# Altium PCB dvrk-s-pwm.PcbDoc (part 4 of 5)
Units mm, origin at the board's own origin, x right, y up, seen from the top; angles counter-clockwise.
Board outline 124 x 180 mm, 4 copper layers (Component Side, Ground Plane, Power Plane, Solder Side), stack 1.584 mm thick; 325 components, 238 nets, 1291 pads, 758 vias.
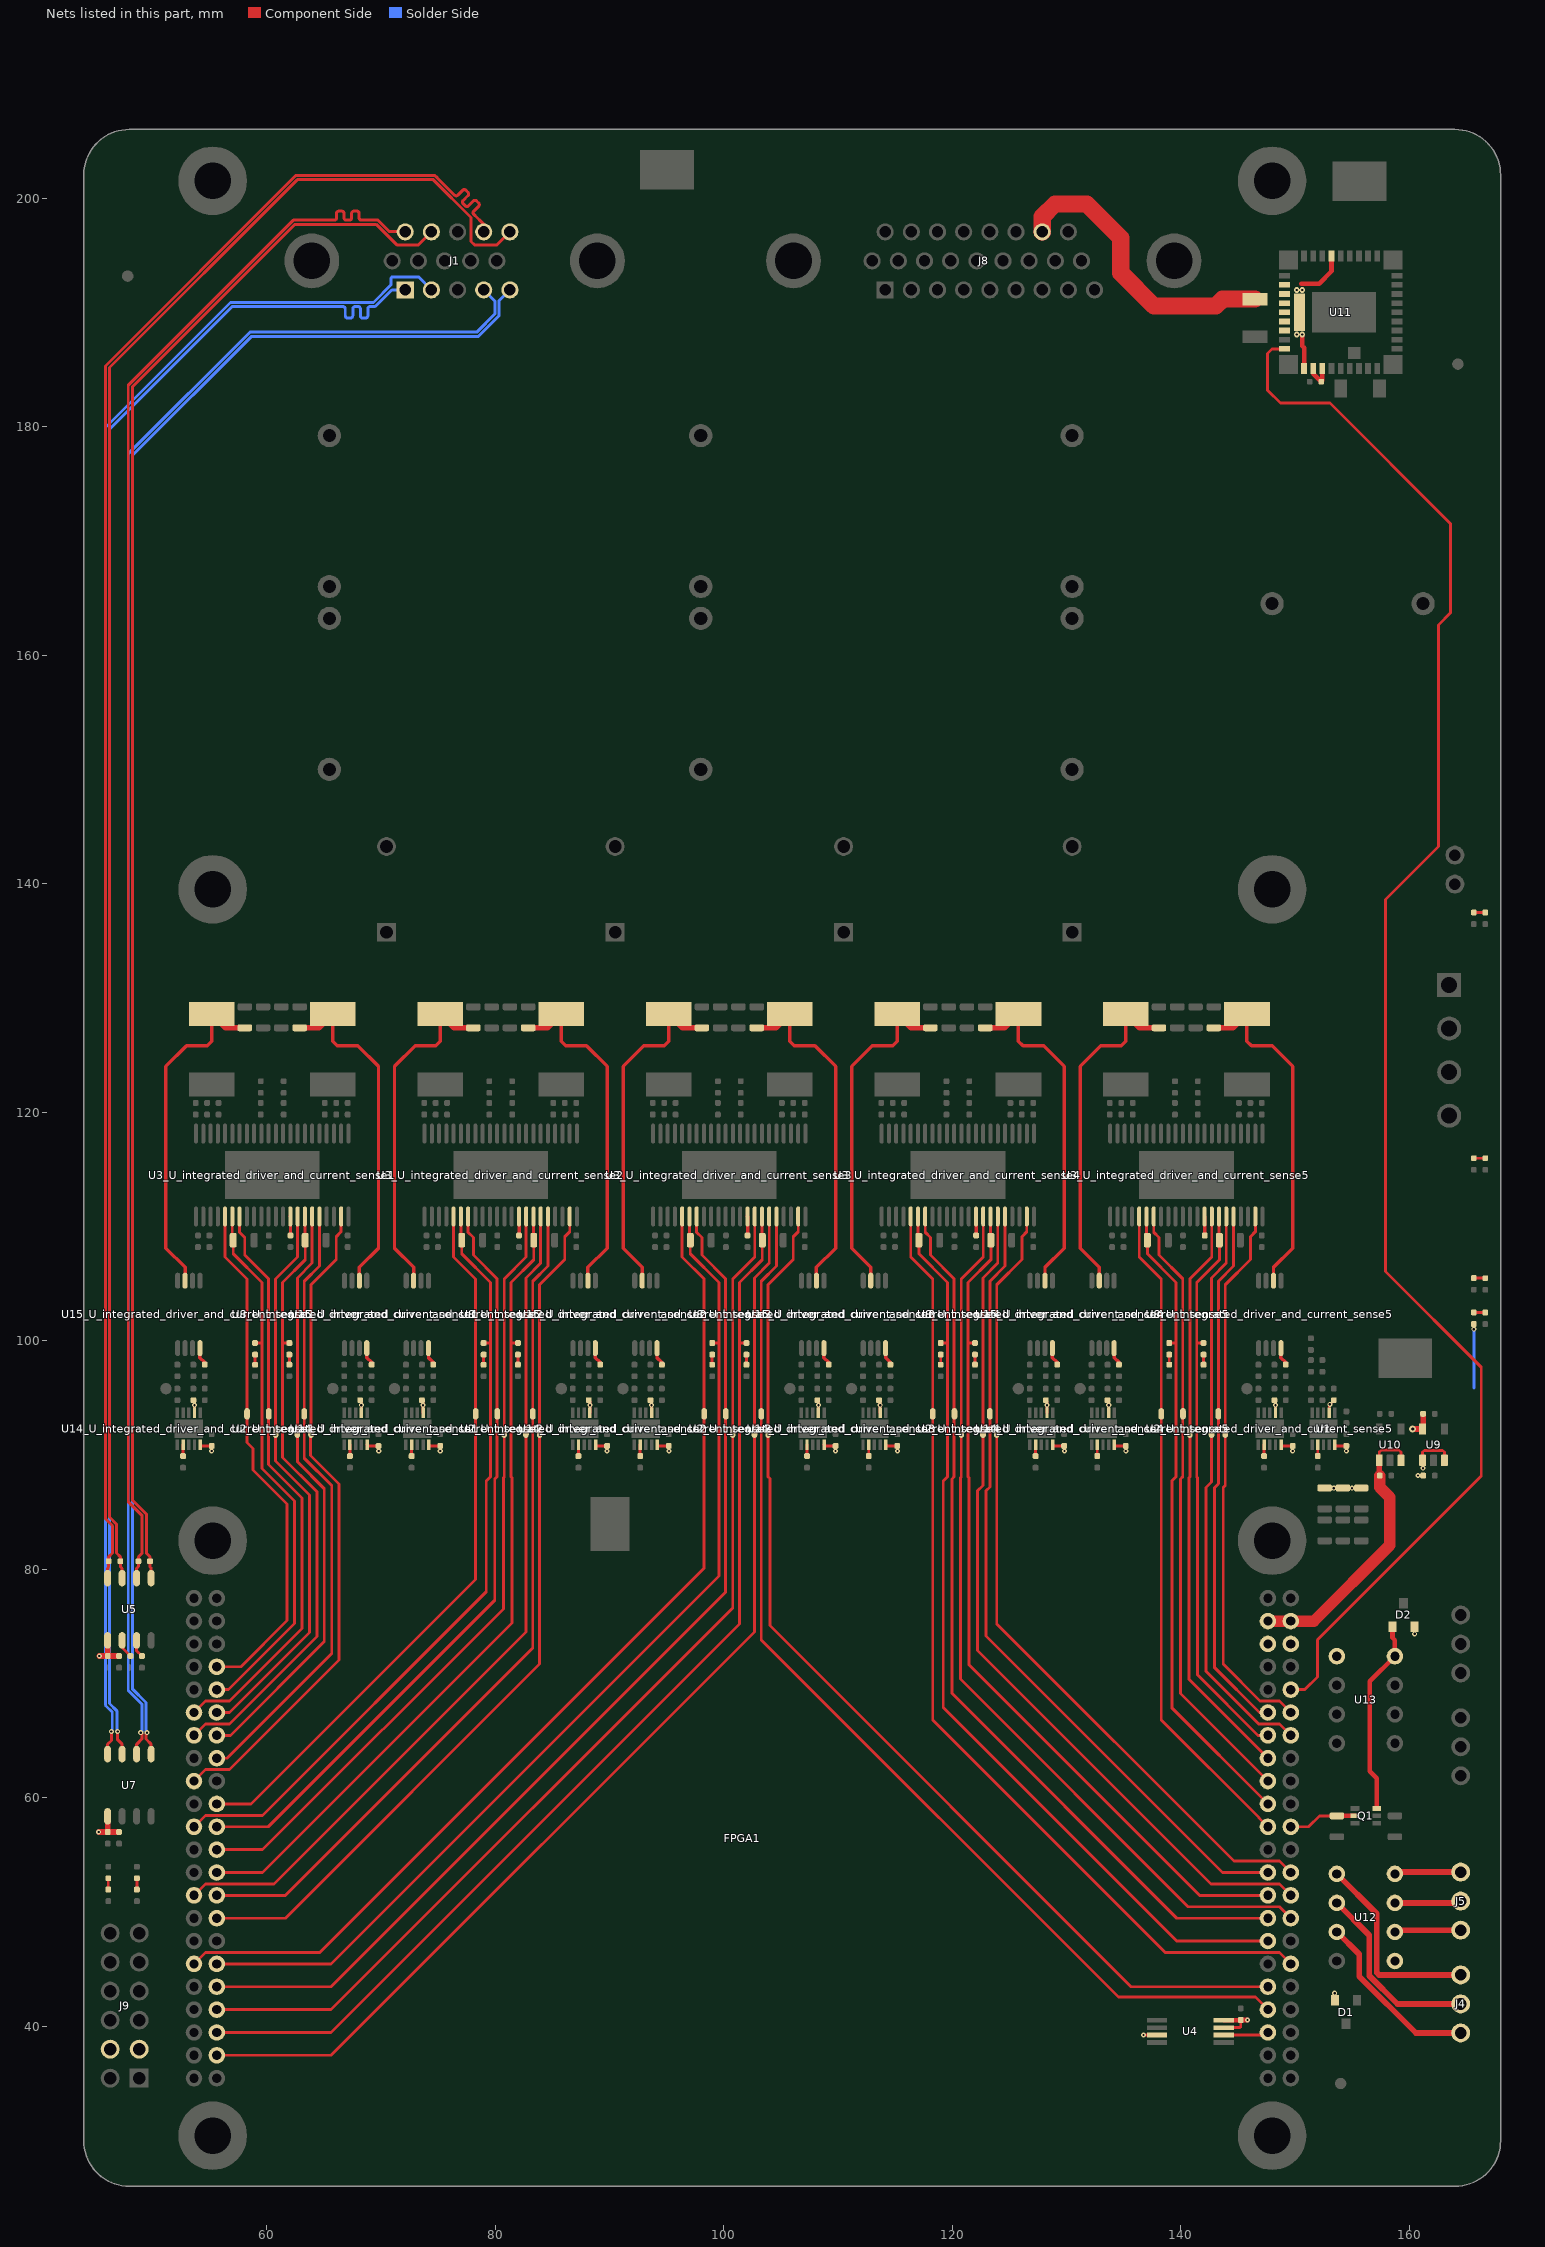
[diagram p6: the nets of this part, all layers, seen from the top]

## Via types
v1: diameter 0.45, hole 0.2, Component Side to Solder Side, tented both sides, 535 vias
v2: diameter 0.5, hole 0.2, Component Side to Solder Side, 186 vias
v3: diameter 1, hole 0.6, Component Side to Solder Side, tented both sides, 34 vias
v4: diameter 0.6, hole 0.3, Component Side to Solder Side, tented both sides, 3 vias

## Nets (pads, with @x,y where several pads share a name; then routed paths per layer and width w, separated by ;. In a path a pad name is that pad's centre, name@x,y a point inside that pad or via, vN(x,y) a via of type N, cw(c..) or ccw(c..) an arc to the next point about the centre after c; other vN are vias at no path point) (continued)
NetD2_1: D2.1 Q1.6 U13.8 | length 17.2
  Component Side w0.4: Q1.6@157.162,59.07 157.162,61.713 156.55,62.325 156.55,70.19 U13.8@158.75,72.39 158.75,73.775 158.535,73.99 D2.1@158.535,74.984
NetD3_U_integrated_driver_and_current_sense1_1: D3_U_integrated_driver_and_current_sense1.1 R27_U_integrated_driver_and_current_sense1.1 | length 0.9
  Component Side w0.25: D3_U_integrated_driver_and_current_sense1.1@62,97.908 R27_U_integrated_driver_and_current_sense1.1@62,98.784
NetD3_U_integrated_driver_and_current_sense2_1: D3_U_integrated_driver_and_current_sense2.1 R27_U_integrated_driver_and_current_sense2.1 | length 0.9
  Component Side w0.25: D3_U_integrated_driver_and_current_sense2.1@82,97.908 R27_U_integrated_driver_and_current_sense2.1@82,98.784
NetD3_U_integrated_driver_and_current_sense3_1: D3_U_integrated_driver_and_current_sense3.1 R27_U_integrated_driver_and_current_sense3.1 | length 0.9
  Component Side w0.25: D3_U_integrated_driver_and_current_sense3.1@102,97.908 R27_U_integrated_driver_and_current_sense3.1@102,98.784
NetD3_U_integrated_driver_and_current_sense4_1: D3_U_integrated_driver_and_current_sense4.1 R27_U_integrated_driver_and_current_sense4.1 | length 0.9
  Component Side w0.25: D3_U_integrated_driver_and_current_sense4.1@122,97.908 R27_U_integrated_driver_and_current_sense4.1@122,98.784
NetD3_U_integrated_driver_and_current_sense5_1: D3_U_integrated_driver_and_current_sense5.1 R27_U_integrated_driver_and_current_sense5.1 | length 0.9
  Component Side w0.25: D3_U_integrated_driver_and_current_sense5.1@142,97.908 R27_U_integrated_driver_and_current_sense5.1@142,98.784
NetD4_U_integrated_driver_and_current_sense1_1: D4_U_integrated_driver_and_current_sense1.1 R28_U_integrated_driver_and_current_sense1.1 | length 0.9
  Component Side w0.25: D4_U_integrated_driver_and_current_sense1.1@59,97.9 R28_U_integrated_driver_and_current_sense1.1@59,98.784
NetD4_U_integrated_driver_and_current_sense2_1: D4_U_integrated_driver_and_current_sense2.1 R28_U_integrated_driver_and_current_sense2.1 | length 0.9
  Component Side w0.25: D4_U_integrated_driver_and_current_sense2.1@79,97.9 R28_U_integrated_driver_and_current_sense2.1@79,98.784
NetD4_U_integrated_driver_and_current_sense3_1: D4_U_integrated_driver_and_current_sense3.1 R28_U_integrated_driver_and_current_sense3.1 | length 0.9
  Component Side w0.25: D4_U_integrated_driver_and_current_sense3.1@99,97.9 R28_U_integrated_driver_and_current_sense3.1@99,98.784
NetD4_U_integrated_driver_and_current_sense4_1: D4_U_integrated_driver_and_current_sense4.1 R28_U_integrated_driver_and_current_sense4.1 | length 0.9
  Component Side w0.25: D4_U_integrated_driver_and_current_sense4.1@119,97.9 R28_U_integrated_driver_and_current_sense4.1@119,98.784
NetD4_U_integrated_driver_and_current_sense5_1: D4_U_integrated_driver_and_current_sense5.1 R28_U_integrated_driver_and_current_sense5.1 | length 0.9
  Component Side w0.25: D4_U_integrated_driver_and_current_sense5.1@139,97.9 R28_U_integrated_driver_and_current_sense5.1@139,98.784
NetD5_1: D5.1 R29.1 | length 1
  Component Side w0.25: R29.1@165.655,115.973 D5.1@166.655,115.973
NetD6_1: D6.1 R30.1 | length 1
  Component Side w0.25: R30.1@165.655,137.473 D6.1@166.655,137.473
NetD7_1: D7.1 R31.1 | length 1
  Component Side w0.25: R31.1@165.655,105.481 165.663,105.473 D7.1@166.655,105.473
NetD8_1: D8.1 R32.1 | length 1
  Component Side w0.25: R32.1@165.655,102.473 D8.1@166.655,102.473
NetD9_1: D9.1 R34.1 | length 1
  Component Side w0.25: R34.1@46.155,51.973 D9.1@46.155,52.957
NetD10_1: D10.1 R33.1 | length 1
  Component Side w0.25: R33.1@48.655,51.973 D10.1@48.655,52.957
NetJ4_1: J4.1 U12.5 | length 17.5
  Component Side w0.5: U12.5@153.67,53.34 157.15,49.86 157.15,44.7 157.35,44.5 J4.1@164.5,44.5
NetJ4_2: J4.2 U12.6 | length 16.6
  Component Side w0.5: U12.6@153.67,50.8 156.498,47.972 156.498,44.43 158.968,41.96 J4.2@164.5,41.96
NetJ4_3: J4.3 U12.7 | length 15.6
  Component Side w0.5: U12.7@153.67,48.26 155.625,46.305 155.625,44.375 160.58,39.42 J4.3@164.5,39.42
NetJ5_1: J5.1 U12.4 | length 5.8
  Component Side w0.5: U12.4@158.75,53.34 158.91,53.5 J5.1@164.5,53.5
NetJ5_2: J5.2 U12.3 | length 5.8
  Component Side w0.5: U12.3@158.75,50.8 164.34,50.8 J5.2@164.5,50.96
NetJ5_3: J5.3 U12.2 | length 5.8
  Component Side w0.5: U12.2@158.75,48.26 158.91,48.42 J5.3@164.5,48.42
NetL1_U_integrated_driver_and_current_sense1_1: L1_U_integrated_driver_and_current_sense1.1 R8_U_integrated_driver_and_current_sense1.2 U8_U_integrated_driver_and_current_sense1.2 | length 31.3
  Component Side w0.3: R8_U_integrated_driver_and_current_sense1.2@65.8,128.6 65.8,126.2 66.2,125.8 68,125.8 69.8,124 69.8,108.1 68.125,106.425 U8_U_integrated_driver_and_current_sense1.2@68.125,105.25 68.125,106.414
  Component Side w0.5: L1_U_integrated_driver_and_current_sense1.1@62.9,127.386 64.586,127.386 R8_U_integrated_driver_and_current_sense1.2@65.8,128.6
NetL1_U_integrated_driver_and_current_sense2_1: L1_U_integrated_driver_and_current_sense2.1 R8_U_integrated_driver_and_current_sense2.2 U8_U_integrated_driver_and_current_sense2.2 | length 31.3
  Component Side w0.3: R8_U_integrated_driver_and_current_sense2.2@85.8,128.6 85.8,126.2 86.2,125.8 88,125.8 89.8,124 89.8,108.1 88.125,106.425 U8_U_integrated_driver_and_current_sense2.2@88.125,105.25 88.125,106.414
  Component Side w0.5: L1_U_integrated_driver_and_current_sense2.1@82.9,127.386 84.586,127.386 R8_U_integrated_driver_and_current_sense2.2@85.8,128.6
NetL1_U_integrated_driver_and_current_sense3_1: L1_U_integrated_driver_and_current_sense3.1 R8_U_integrated_driver_and_current_sense3.2 U8_U_integrated_driver_and_current_sense3.2 | length 31.3
  Component Side w0.3: R8_U_integrated_driver_and_current_sense3.2@105.8,128.6 105.8,126.2 106.2,125.8 108,125.8 109.8,124 109.8,108.1 108.125,106.425 U8_U_integrated_driver_and_current_sense3.2@108.125,105.25 108.125,106.414
  Component Side w0.5: L1_U_integrated_driver_and_current_sense3.1@102.9,127.386 104.586,127.386 R8_U_integrated_driver_and_current_sense3.2@105.8,128.6
NetL1_U_integrated_driver_and_current_sense4_1: L1_U_integrated_driver_and_current_sense4.1 R8_U_integrated_driver_and_current_sense4.2 U8_U_integrated_driver_and_current_sense4.2 | length 31.3
  Component Side w0.3: R8_U_integrated_driver_and_current_sense4.2@125.8,128.6 125.8,126.2 126.2,125.8 128,125.8 129.8,124 129.8,108.1 128.125,106.425 U8_U_integrated_driver_and_current_sense4.2@128.125,105.25 128.125,106.414
  Component Side w0.5: L1_U_integrated_driver_and_current_sense4.1@122.9,127.386 124.586,127.386 R8_U_integrated_driver_and_current_sense4.2@125.8,128.6
NetL1_U_integrated_driver_and_current_sense5_1: L1_U_integrated_driver_and_current_sense5.1 R8_U_integrated_driver_and_current_sense5.2 U8_U_integrated_driver_and_current_sense5.2 | length 31.3
  Component Side w0.3: R8_U_integrated_driver_and_current_sense5.2@145.8,128.6 145.8,126.2 146.2,125.8 148,125.8 149.8,124 149.8,108.1 148.125,106.425 U8_U_integrated_driver_and_current_sense5.2@148.125,105.25 148.125,106.414
  Component Side w0.5: L1_U_integrated_driver_and_current_sense5.1@142.9,127.386 144.586,127.386 R8_U_integrated_driver_and_current_sense5.2@145.8,128.6
NetL4_U_integrated_driver_and_current_sense1_1: L4_U_integrated_driver_and_current_sense1.1 R22_U_integrated_driver_and_current_sense1.2 U15_U_integrated_driver_and_current_sense1.3 | length 30.2
  Component Side w0.3: U15_U_integrated_driver_and_current_sense1.3@52.875,105.25 52.875,106.425 51.2,108.1 51.2,124 53,125.8 54.8,125.8 55.2,126.2 R22_U_integrated_driver_and_current_sense1.2@55.2,128.6
  Component Side w0.5: R22_U_integrated_driver_and_current_sense1.2@55.2,128.6 56.414,127.386 L4_U_integrated_driver_and_current_sense1.1@58.1,127.386
NetL4_U_integrated_driver_and_current_sense2_1: L4_U_integrated_driver_and_current_sense2.1 R22_U_integrated_driver_and_current_sense2.2 U15_U_integrated_driver_and_current_sense2.3 | length 30.2
  Component Side w0.3: U15_U_integrated_driver_and_current_sense2.3@72.875,105.25 72.875,106.425 71.2,108.1 71.2,124 73,125.8 74.8,125.8 75.2,126.2 R22_U_integrated_driver_and_current_sense2.2@75.2,128.6
  Component Side w0.5: R22_U_integrated_driver_and_current_sense2.2@75.2,128.6 76.414,127.386 L4_U_integrated_driver_and_current_sense2.1@78.1,127.386
NetL4_U_integrated_driver_and_current_sense3_1: L4_U_integrated_driver_and_current_sense3.1 R22_U_integrated_driver_and_current_sense3.2 U15_U_integrated_driver_and_current_sense3.3 | length 30.2
  Component Side w0.3: U15_U_integrated_driver_and_current_sense3.3@92.875,105.25 92.875,106.425 91.2,108.1 91.2,124 93,125.8 94.8,125.8 95.2,126.2 R22_U_integrated_driver_and_current_sense3.2@95.2,128.6
  Component Side w0.5: R22_U_integrated_driver_and_current_sense3.2@95.2,128.6 96.414,127.386 L4_U_integrated_driver_and_current_sense3.1@98.1,127.386
NetL4_U_integrated_driver_and_current_sense4_1: L4_U_integrated_driver_and_current_sense4.1 R22_U_integrated_driver_and_current_sense4.2 U15_U_integrated_driver_and_current_sense4.3 | length 30.2
  Component Side w0.3: U15_U_integrated_driver_and_current_sense4.3@112.875,105.25 112.875,106.425 111.2,108.1 111.2,124 113,125.8 114.8,125.8 115.2,126.2 R22_U_integrated_driver_and_current_sense4.2@115.2,128.6
  Component Side w0.5: R22_U_integrated_driver_and_current_sense4.2@115.2,128.6 116.414,127.386 L4_U_integrated_driver_and_current_sense4.1@118.1,127.386
NetL4_U_integrated_driver_and_current_sense5_1: L4_U_integrated_driver_and_current_sense5.1 R22_U_integrated_driver_and_current_sense5.2 U15_U_integrated_driver_and_current_sense5.3 | length 30.2
  Component Side w0.3: U15_U_integrated_driver_and_current_sense5.3@132.875,105.25 132.875,106.425 131.2,108.1 131.2,124 133,125.8 134.8,125.8 135.2,126.2 R22_U_integrated_driver_and_current_sense5.2@135.2,128.6
  Component Side w0.5: R22_U_integrated_driver_and_current_sense5.2@135.2,128.6 136.414,127.386 L4_U_integrated_driver_and_current_sense5.1@138.1,127.386
NetR2_2: R2.2 U1.7 | length 1
  Component Side w0.25: R2.2@152,89.908 U1.7@152,90.898
NetR3_U_integrated_driver_and_current_sense1_1: R3_U_integrated_driver_and_current_sense1.1 U3_U_integrated_driver_and_current_sense1.14 | length 1.7
  Component Side w0.3: U3_U_integrated_driver_and_current_sense1.14@62.088,110.875 62.1,110.863 R3_U_integrated_driver_and_current_sense1.1@62.1,109.208
NetR3_U_integrated_driver_and_current_sense2_1: R3_U_integrated_driver_and_current_sense2.1 U3_U_integrated_driver_and_current_sense2.14 | length 1.7
  Component Side w0.3: U3_U_integrated_driver_and_current_sense2.14@82.087,110.875 82.1,110.863 R3_U_integrated_driver_and_current_sense2.1@82.1,109.208
NetR3_U_integrated_driver_and_current_sense3_1: R3_U_integrated_driver_and_current_sense3.1 U3_U_integrated_driver_and_current_sense3.14 | length 1.7
  Component Side w0.3: U3_U_integrated_driver_and_current_sense3.14@102.087,110.875 102.1,110.863 R3_U_integrated_driver_and_current_sense3.1@102.1,109.208
NetR3_U_integrated_driver_and_current_sense4_1: R3_U_integrated_driver_and_current_sense4.1 U3_U_integrated_driver_and_current_sense4.14 | length 1.7
  Component Side w0.3: U3_U_integrated_driver_and_current_sense4.14@122.087,110.875 122.1,110.863 R3_U_integrated_driver_and_current_sense4.1@122.1,109.208
NetR3_U_integrated_driver_and_current_sense5_1: R3_U_integrated_driver_and_current_sense5.1 U3_U_integrated_driver_and_current_sense5.14 | length 1.7
  Component Side w0.3: U3_U_integrated_driver_and_current_sense5.14@142.087,110.875 142.1,110.863 R3_U_integrated_driver_and_current_sense5.1@142.1,109.208
NetR14_2: R14.2 U5.2 | length 1.7
  Component Side w0.25: U5.2@47.364,73.775 47.364,73.144 R14.2@48.1,72.408
NetR15_2: R15.2 U5.3 | length 1.6
  Component Side w0.25: U5.3@48.634,73.775 48.634,72.874 R15.2@49.1,72.408
NetR23_U_integrated_driver_and_current_sense1_2: R23_U_integrated_driver_and_current_sense1.2 U8_U_integrated_driver_and_current_sense1.8 | length 1.6
  Component Side w0.3: U8_U_integrated_driver_and_current_sense1.8@68.775,99.35 68.775,98.525 69.2,98.1 R23_U_integrated_driver_and_current_sense1.2@69.2,97.908
NetR23_U_integrated_driver_and_current_sense2_2: R23_U_integrated_driver_and_current_sense2.2 U8_U_integrated_driver_and_current_sense2.8 | length 1.6
  Component Side w0.3: U8_U_integrated_driver_and_current_sense2.8@88.775,99.35 88.775,98.525 89.2,98.1 R23_U_integrated_driver_and_current_sense2.2@89.2,97.908
NetR23_U_integrated_driver_and_current_sense3_2: R23_U_integrated_driver_and_current_sense3.2 U8_U_integrated_driver_and_current_sense3.8 | length 1.6
  Component Side w0.3: U8_U_integrated_driver_and_current_sense3.8@108.775,99.35 108.775,98.525 109.2,98.1 R23_U_integrated_driver_and_current_sense3.2@109.2,97.908
NetR23_U_integrated_driver_and_current_sense4_2: R23_U_integrated_driver_and_current_sense4.2 U8_U_integrated_driver_and_current_sense4.8 | length 1.6
  Component Side w0.3: U8_U_integrated_driver_and_current_sense4.8@128.775,99.35 128.775,98.525 129.2,98.1 R23_U_integrated_driver_and_current_sense4.2@129.2,97.908
NetR23_U_integrated_driver_and_current_sense5_2: R23_U_integrated_driver_and_current_sense5.2 U8_U_integrated_driver_and_current_sense5.8 | length 1.6
  Component Side w0.3: U8_U_integrated_driver_and_current_sense5.8@148.775,99.35 148.775,98.525 149.2,98.1 R23_U_integrated_driver_and_current_sense5.2@149.2,97.908
NetR24_U_integrated_driver_and_current_sense1_2: R24_U_integrated_driver_and_current_sense1.2 U2_U_integrated_driver_and_current_sense1.7 | length 1
  Component Side w0.25: R24_U_integrated_driver_and_current_sense1.2@67.3,89.908 U2_U_integrated_driver_and_current_sense1.7@67.3,90.898
NetR24_U_integrated_driver_and_current_sense2_2: R24_U_integrated_driver_and_current_sense2.2 U2_U_integrated_driver_and_current_sense2.7 | length 1
  Component Side w0.25: R24_U_integrated_driver_and_current_sense2.2@87.3,89.908 U2_U_integrated_driver_and_current_sense2.7@87.3,90.898
NetR24_U_integrated_driver_and_current_sense3_2: R24_U_integrated_driver_and_current_sense3.2 U2_U_integrated_driver_and_current_sense3.7 | length 1
  Component Side w0.25: R24_U_integrated_driver_and_current_sense3.2@107.3,89.908 U2_U_integrated_driver_and_current_sense3.7@107.3,90.898
NetR24_U_integrated_driver_and_current_sense4_2: R24_U_integrated_driver_and_current_sense4.2 U2_U_integrated_driver_and_current_sense4.7 | length 1
  Component Side w0.25: R24_U_integrated_driver_and_current_sense4.2@127.3,89.908 U2_U_integrated_driver_and_current_sense4.7@127.3,90.898
NetR24_U_integrated_driver_and_current_sense5_2: R24_U_integrated_driver_and_current_sense5.2 U2_U_integrated_driver_and_current_sense5.7 | length 1
  Component Side w0.25: R24_U_integrated_driver_and_current_sense5.2@147.3,89.908 U2_U_integrated_driver_and_current_sense5.7@147.3,90.898
NetR25_U_integrated_driver_and_current_sense1_2: R25_U_integrated_driver_and_current_sense1.2 U15_U_integrated_driver_and_current_sense1.8 | length 1.6
  Component Side w0.3: U15_U_integrated_driver_and_current_sense1.8@54.175,99.35 54.175,98.525 54.6,98.1 R25_U_integrated_driver_and_current_sense1.2@54.6,97.908
NetR25_U_integrated_driver_and_current_sense2_2: R25_U_integrated_driver_and_current_sense2.2 U15_U_integrated_driver_and_current_sense2.8 | length 1.6
  Component Side w0.3: U15_U_integrated_driver_and_current_sense2.8@74.175,99.35 74.175,98.525 74.6,98.1 R25_U_integrated_driver_and_current_sense2.2@74.6,97.908
NetR25_U_integrated_driver_and_current_sense3_2: R25_U_integrated_driver_and_current_sense3.2 U15_U_integrated_driver_and_current_sense3.8 | length 1.6
  Component Side w0.3: U15_U_integrated_driver_and_current_sense3.8@94.175,99.35 94.175,98.525 94.6,98.1 R25_U_integrated_driver_and_current_sense3.2@94.6,97.908
NetR25_U_integrated_driver_and_current_sense4_2: R25_U_integrated_driver_and_current_sense4.2 U15_U_integrated_driver_and_current_sense4.8 | length 1.6
  Component Side w0.3: U15_U_integrated_driver_and_current_sense4.8@114.175,99.35 114.175,98.525 114.6,98.1 R25_U_integrated_driver_and_current_sense4.2@114.6,97.908
NetR25_U_integrated_driver_and_current_sense5_2: R25_U_integrated_driver_and_current_sense5.2 U15_U_integrated_driver_and_current_sense5.8 | length 1.6
  Component Side w0.3: U15_U_integrated_driver_and_current_sense5.8@134.175,99.35 134.175,98.525 134.6,98.1 R25_U_integrated_driver_and_current_sense5.2@134.6,97.908
NetR26_U_integrated_driver_and_current_sense1_2: R26_U_integrated_driver_and_current_sense1.2 U14_U_integrated_driver_and_current_sense1.7 | length 1
  Component Side w0.25: R26_U_integrated_driver_and_current_sense1.2@52.7,89.908 U14_U_integrated_driver_and_current_sense1.7@52.7,90.898
NetR26_U_integrated_driver_and_current_sense2_2: R26_U_integrated_driver_and_current_sense2.2 U14_U_integrated_driver_and_current_sense2.7 | length 1
  Component Side w0.25: R26_U_integrated_driver_and_current_sense2.2@72.7,89.908 U14_U_integrated_driver_and_current_sense2.7@72.7,90.898
NetR26_U_integrated_driver_and_current_sense3_2: R26_U_integrated_driver_and_current_sense3.2 U14_U_integrated_driver_and_current_sense3.7 | length 1
  Component Side w0.25: R26_U_integrated_driver_and_current_sense3.2@92.7,89.908 U14_U_integrated_driver_and_current_sense3.7@92.7,90.898
NetR26_U_integrated_driver_and_current_sense4_2: R26_U_integrated_driver_and_current_sense4.2 U14_U_integrated_driver_and_current_sense4.7 | length 1
  Component Side w0.25: R26_U_integrated_driver_and_current_sense4.2@112.7,89.908 U14_U_integrated_driver_and_current_sense4.7@112.7,90.898
NetR26_U_integrated_driver_and_current_sense5_2: R26_U_integrated_driver_and_current_sense5.2 U14_U_integrated_driver_and_current_sense5.7 | length 1
  Component Side w0.25: R26_U_integrated_driver_and_current_sense5.2@132.7,89.908 U14_U_integrated_driver_and_current_sense5.7@132.7,90.898
nFAULT1: FPGA1.74 pad.0@63.3,93.6 U3_U_integrated_driver_and_current_sense1.18 | length 53.6
  Component Side w0.25: FPGA1.74@55.655,63.465 56.555,63.465 62.455,69.365 65.705,72.615 65.705,87.316 63.3,89.721 pad.0@63.3,93.6 63.3,105.2 64.628,106.527 U3_U_integrated_driver_and_current_sense1.18@64.628,110.875
nFAULT2: FPGA1.62 pad.0@83.3,93.6 U3_U_integrated_driver_and_current_sense2.18 | length 74.9
  Component Side w0.25: FPGA1.62@55.655,51.465 61.655,51.465 83.3,73.11 pad.0@83.3,93.6 83.3,105.2 84.628,106.527 U3_U_integrated_driver_and_current_sense2.18@84.627,110.875
nFAULT3: FPGA1.7 pad.0@103.3,93.6 U3_U_integrated_driver_and_current_sense3.18 | length 95.7
  Component Side w0.25: U3_U_integrated_driver_and_current_sense3.18@104.627,110.875 104.628,106.527 103.3,105.2 pad.0@103.3,93.6 103.3,73.82 134.555,42.565 146.535,42.565 FPGA1.7@147.635,41.465 FPGA1.7@147.235,41.465
nFAULT4: FPGA1.19 pad.0@123.3,93.6 U3_U_integrated_driver_and_current_sense4.18 | length 70.6
  Component Side w0.25: U3_U_integrated_driver_and_current_sense4.18@124.627,110.875 124.628,106.527 123.3,105.2 pad.0@123.3,93.6 123.3,87.19 122.975,86.865 122.975,74.145 143.655,53.465 FPGA1.19@147.635,53.465
nFAULT5: FPGA1.33 pad.0@143.3,93.6 U3_U_integrated_driver_and_current_sense5.18 | length 46.5
  Component Side w0.25: U3_U_integrated_driver_and_current_sense5.18@144.627,110.875 144.628,106.527 143.3,105.2 pad.0@143.3,93.6 143.3,87.49 142.975,87.165 142.975,71.384 146.894,67.465 FPGA1.33@147.635,67.465
nOTW1: FPGA1.71 pad.0@63.9,92 U3_U_integrated_driver_and_current_sense1.21 | length 58
  Component Side w0.25: FPGA1.71@53.655,61.465 54.655,62.465 56.755,62.465 63.055,68.765 66.355,72.065 66.355,87.465 63.852,89.968 63.852,91.952 pad.0@63.9,92 63.9,104.9 66.1,107.1 66.1,109.1 66.533,109.533 U3_U_integrated_driver_and_current_sense1.21@66.533,110.875
nOTW2: FPGA1.60 pad.0@83.9,92 U3_U_integrated_driver_and_current_sense2.21 | length 77.7
  Component Side w0.25: FPGA1.60@55.655,49.465 61.655,49.465 83.9,71.71 pad.0@83.9,92 83.9,104.9 86.1,107.1 86.1,109.1 86.533,109.533 U3_U_integrated_driver_and_current_sense2.21@86.532,110.875
nOTW3: FPGA1.9 pad.0@103.9,92 U3_U_integrated_driver_and_current_sense3.21 | length 93.6
  Component Side w0.25: U3_U_integrated_driver_and_current_sense3.21@106.532,110.875 106.533,109.533 106.1,109.1 106.1,107.1 103.9,104.9 pad.0@103.9,92 103.9,88.1 104.05,87.95 104.05,75.07 135.655,43.465 FPGA1.9@147.635,43.465
nOTW4: FPGA1.20 pad.0@123.9,92 U3_U_integrated_driver_and_current_sense4.21 | length 71.5
  Component Side w0.25: U3_U_integrated_driver_and_current_sense4.21@126.532,110.875 126.533,109.533 126.1,109.1 126.1,107.1 123.9,104.9 pad.0@123.9,92 123.9,75.22 144.655,54.465 148.635,54.465 FPGA1.20@149.635,53.465
nOTW5: FPGA1.34 pad.0@143.9,92 U3_U_integrated_driver_and_current_sense5.21 | length 48
  Component Side w0.25: U3_U_integrated_driver_and_current_sense5.21@146.532,110.875 146.533,109.533 146.1,109.1 146.1,107.1 143.9,104.9 pad.0@143.9,92 143.9,87.34 143.725,87.165 143.725,71.695 146.955,68.465 148.635,68.465 FPGA1.34@149.635,67.465
nRESET1_1: FPGA1.75 R4_U_integrated_driver_and_current_sense1.2 R27_U_integrated_driver_and_current_sense1.2 U3_U_integrated_driver_and_current_sense1.16 | length 53.8
  Component Side w0.25: FPGA1.75@53.655,65.465 54.655,66.465 56.755,66.465 64.405,74.115 64.405,86.777 61.4,89.782 61.4,99.8 ; R27_U_integrated_driver_and_current_sense1.2@62,99.8 61.4,99.8 ; U3_U_integrated_driver_and_current_sense1.16@63.358,110.875 63.358,108.828 R4_U_integrated_driver_and_current_sense1.2@63.386,108.8 63.386,107.086 61.4,105.1 61.4,99.8
nRESET1_2: FPGA1.64 R4_U_integrated_driver_and_current_sense2.2 R27_U_integrated_driver_and_current_sense2.2 U3_U_integrated_driver_and_current_sense2.16 | length 71.9
  Component Side w0.25: FPGA1.64@55.655,53.465 59.655,53.465 81.475,75.285 81.475,88.025 81.4,88.1 81.4,99.8 ; R27_U_integrated_driver_and_current_sense2.2@82,99.8 81.4,99.8 ; U3_U_integrated_driver_and_current_sense2.16@83.357,110.875 83.358,108.828 R4_U_integrated_driver_and_current_sense2.2@83.386,108.8 83.386,107.086 81.4,105.1 81.4,99.8
nRESET1_3: FPGA1.50 R4_U_integrated_driver_and_current_sense3.2 R27_U_integrated_driver_and_current_sense3.2 U3_U_integrated_driver_and_current_sense3.16 | length 97.7
  Component Side w0.25: FPGA1.50@55.655,39.465 65.655,39.465 101.4,75.21 101.4,99.8 ; R27_U_integrated_driver_and_current_sense3.2@102,99.8 101.4,99.8 ; U3_U_integrated_driver_and_current_sense3.16@103.357,110.875 103.358,108.828 R4_U_integrated_driver_and_current_sense3.2@103.386,108.8 103.386,107.086 101.4,105.1 101.4,99.8
nRESET1_4: FPGA1.17 R4_U_integrated_driver_and_current_sense4.2 R27_U_integrated_driver_and_current_sense4.2 U3_U_integrated_driver_and_current_sense4.16 | length 75.2
  Component Side w0.25: R27_U_integrated_driver_and_current_sense4.2@122,99.8 121.4,99.8 ; U3_U_integrated_driver_and_current_sense4.16@123.357,110.875 123.358,108.828 R4_U_integrated_driver_and_current_sense4.2@123.386,108.8 123.386,107.086 121.4,105.1 121.4,99.8 ; FPGA1.17@147.635,51.465 141.655,51.465 121.475,71.645 121.475,88.025 121.4,88.1 121.4,99.8
nRESET1_5: FPGA1.31 R4_U_integrated_driver_and_current_sense5.2 R27_U_integrated_driver_and_current_sense5.2 U3_U_integrated_driver_and_current_sense5.16 | length 49.9
  Component Side w0.25: R27_U_integrated_driver_and_current_sense5.2@142,99.8 141.4,99.8 ; U3_U_integrated_driver_and_current_sense5.16@143.357,110.875 143.358,108.828 R4_U_integrated_driver_and_current_sense5.2@143.386,108.8 143.386,107.086 141.4,105.1 141.4,99.8 ; FPGA1.31@147.635,65.465 146.773,65.465 141.475,70.763 141.475,88.025 141.4,88.1 141.4,99.8
nRESET2_1: FPGA1.80 R5_U_integrated_driver_and_current_sense1.2 R28_U_integrated_driver_and_current_sense1.2 U3_U_integrated_driver_and_current_sense1.6 | length 47.7
  Component Side w0.25: FPGA1.80@55.655,69.465 56.674,69.465 62.455,75.246 62.455,85.97 59.6,88.825 59.6,99.8 ; U3_U_integrated_driver_and_current_sense1.6@57.008,110.875 57.008,108.878 R5_U_integrated_driver_and_current_sense1.2@57.086,108.8 57.086,107.614 59.6,105.1 59.6,99.8 ; R28_U_integrated_driver_and_current_sense1.2@59,99.8 59.6,99.8
nRESET2_2: FPGA1.67 R5_U_integrated_driver_and_current_sense2.2 R28_U_integrated_driver_and_current_sense2.2 U3_U_integrated_driver_and_current_sense2.6 | length 68.8
  Component Side w0.25: FPGA1.67@53.655,57.465 54.655,58.465 59.655,58.465 79.225,78.035 79.225,87.725 79.6,88.1 79.6,99.8 ; U3_U_integrated_driver_and_current_sense2.6@77.007,110.875 77.008,108.878 R5_U_integrated_driver_and_current_sense2.2@77.086,108.8 77.086,107.614 79.6,105.1 79.6,99.8 ; R28_U_integrated_driver_and_current_sense2.2@79,99.8 79.6,99.8
nRESET2_3: FPGA1.56 R5_U_integrated_driver_and_current_sense3.2 R28_U_integrated_driver_and_current_sense3.2 U3_U_integrated_driver_and_current_sense3.6 | length 91.1
  Component Side w0.25: FPGA1.56@55.655,45.465 65.655,45.465 99.6,79.41 99.6,99.8 ; U3_U_integrated_driver_and_current_sense3.6@97.007,110.875 97.008,108.878 R5_U_integrated_driver_and_current_sense3.2@97.086,108.8 97.086,107.614 99.6,105.1 99.6,99.8 ; R28_U_integrated_driver_and_current_sense3.2@99,99.8 99.6,99.8
nRESET2_4: FPGA1.13 R5_U_integrated_driver_and_current_sense4.2 R28_U_integrated_driver_and_current_sense4.2 U3_U_integrated_driver_and_current_sense4.6 | length 81.7
  Component Side w0.25: U3_U_integrated_driver_and_current_sense4.6@117.007,110.875 117.008,108.878 R5_U_integrated_driver_and_current_sense4.2@117.086,108.8 117.086,107.614 119.6,105.1 119.6,99.8 ; R28_U_integrated_driver_and_current_sense4.2@119,99.8 119.6,99.8 ; FPGA1.13@147.635,47.465 139.655,47.465 119.225,67.895 119.225,87.725 119.6,88.1 119.6,99.8
nRESET2_5: FPGA1.25 R5_U_integrated_driver_and_current_sense5.2 R28_U_integrated_driver_and_current_sense5.2 U3_U_integrated_driver_and_current_sense5.6 | length 56.7
  Component Side w0.25: U3_U_integrated_driver_and_current_sense5.6@137.007,110.875 137.008,108.878 R5_U_integrated_driver_and_current_sense5.2@137.086,108.8 137.086,107.614 139.6,105.1 139.6,99.8 ; R28_U_integrated_driver_and_current_sense5.2@139,99.8 139.6,99.8 ; FPGA1.25@147.635,59.465 139.225,67.875 139.225,87.725 139.6,88.1 139.6,99.8
PSM_POWER_GOOD: FPGA1.36 U11.20 | length 141.2
  Component Side w0.25: U11.20@149.075,186.8 148,186.8 147.6,186.4 147.6,183.175 148.725,182.05 153.075,182.05 163.625,171.5 163.625,163.7 162.55,162.625 162.55,143.25 157.925,138.625 157.925,106.05 166.3,97.675 166.3,88.15 151.975,73.825 151.975,70.58 150.86,69.465 FPGA1.36@149.635,69.465
PWM1_N1: FPGA1.78 pad.0@60.8,92 U3_U_integrated_driver_and_current_sense1.15 | length 49.5
  Component Side w0.25: FPGA1.78@55.655,67.465 56.755,67.465 63.755,74.465 63.755,86.508 60.775,89.488 60.775,91.975 pad.0@60.8,92 60.8,105.4 62.723,107.323 U3_U_integrated_driver_and_current_sense1.15@62.723,110.875
PWM1_N2: FPGA1.66 pad.0@80.8,92 U3_U_integrated_driver_and_current_sense2.15 | length 69
  Component Side w0.25: FPGA1.66@55.655,55.465 59.655,55.465 80.725,76.535 80.725,88.025 80.8,88.1 pad.0@80.8,92 80.8,105.4 82.723,107.323 U3_U_integrated_driver_and_current_sense2.15@82.722,110.875
PWM1_N3: FPGA1.52 pad.0@100.8,92 U3_U_integrated_driver_and_current_sense3.15 | length 94.8
  Component Side w0.25: FPGA1.52@55.655,41.465 65.655,41.465 100.8,76.61 pad.0@100.8,92 100.8,105.4 102.723,107.323 U3_U_integrated_driver_and_current_sense3.15@102.722,110.875
PWM1_N4: FPGA1.16 pad.0@120.8,92 U3_U_integrated_driver_and_current_sense4.15 | length 78.9
  Component Side w0.25: U3_U_integrated_driver_and_current_sense4.15@122.722,110.875 122.723,107.323 120.8,105.4 pad.0@120.8,92 120.8,88.1 120.725,88.025 120.725,70.395 140.655,50.465 148.635,50.465 FPGA1.16@149.635,49.465
PWM1_N5: FPGA1.29 pad.0@140.8,92 U3_U_integrated_driver_and_current_sense5.15 | length 51.1
  Component Side w0.25: U3_U_integrated_driver_and_current_sense5.15@142.722,110.875 142.723,107.323 140.8,105.4 pad.0@140.8,92 140.8,88.1 140.725,88.025 140.725,70.375 FPGA1.29@147.635,63.465
PWM1_P1: FPGA1.76 pad.0@62.7,92 U3_U_integrated_driver_and_current_sense1.17 | length 51.5
  Component Side w0.25: FPGA1.76@55.655,65.465 56.855,65.465 65.055,73.665 65.055,87.046 62.7,89.401 pad.0@62.7,92 62.7,105.5 63.993,106.792 U3_U_integrated_driver_and_current_sense1.17@63.993,110.875
PWM1_P2: FPGA1.61 pad.0@82.7,92 U3_U_integrated_driver_and_current_sense2.17 | length 75.5
  Component Side w0.25: FPGA1.61@53.655,51.465 54.655,52.465 60.655,52.465 82.7,74.51 pad.0@82.7,92 82.7,105.5 83.993,106.792 U3_U_integrated_driver_and_current_sense2.17@83.992,110.875
PWM1_P3: FPGA1.48 pad.0@102.7,92 U3_U_integrated_driver_and_current_sense3.17 | length 99.3
  Component Side w0.25: FPGA1.48@55.655,37.465 65.655,37.465 102.7,74.51 pad.0@102.7,92 102.7,105.5 103.993,106.792 U3_U_integrated_driver_and_current_sense3.17@103.992,110.875
PWM1_P4: FPGA1.18 pad.0@122.7,92 U3_U_integrated_driver_and_current_sense4.17 | length 75
  Component Side w0.25: U3_U_integrated_driver_and_current_sense4.17@123.992,110.875 123.993,106.792 122.7,105.5 pad.0@122.7,92 122.7,87.34 122.225,86.865 122.225,72.895 142.655,52.465 148.635,52.465 FPGA1.18@149.635,51.465
PWM1_P5: FPGA1.32 pad.0@142.7,92 U3_U_integrated_driver_and_current_sense5.17 | length 50.3
  Component Side w0.25: U3_U_integrated_driver_and_current_sense5.17@143.992,110.875 143.993,106.792 142.7,105.5 pad.0@142.7,92 142.7,87.64 142.225,87.165 142.225,71.074 146.834,66.465 148.635,66.465 FPGA1.32@149.635,65.465
PWM2_N1: FPGA1.77 pad.0@60.2,93.6 U3_U_integrated_driver_and_current_sense1.7 | length 50.8
  Component Side w0.25: FPGA1.77@53.655,67.465 54.655,68.465 56.755,68.465 63.105,74.815 63.105,86.239 60.175,89.169 60.175,105.425 58.1,107.5 58.1,109.028 57.643,109.485 U3_U_integrated_driver_and_current_sense1.7@57.643,110.875
PWM2_N2: FPGA1.68 pad.0@80.2,93.6 U3_U_integrated_driver_and_current_sense2.7 | length 67.3
  Component Side w0.25: FPGA1.68@55.655,57.465 60.155,57.465 79.975,77.285 79.975,87.9 80.175,88.1 80.175,105.425 78.1,107.5 78.1,109.028 77.643,109.485 U3_U_integrated_driver_and_current_sense2.7@77.642,110.875
PWM2_N3: FPGA1.54 pad.0@100.2,93.6 U3_U_integrated_driver_and_current_sense3.7 | length 92.8
  Component Side w0.25: FPGA1.54@55.655,43.465 65.655,43.465 100.175,77.985 100.175,105.425 98.1,107.5 98.1,109.028 97.643,109.485 U3_U_integrated_driver_and_current_sense3.7@97.642,110.875
PWM2_N4: FPGA1.15 pad.0@120.2,93.6 U3_U_integrated_driver_and_current_sense4.7 | length 78.7
  Component Side w0.25: U3_U_integrated_driver_and_current_sense4.7@117.642,110.875 117.643,109.485 118.1,109.028 118.1,107.5 120.175,105.425 120.175,88.1 119.975,87.9 119.975,69.145 139.655,49.465 FPGA1.15@147.635,49.465
PWM2_N5: FPGA1.27 pad.0@140.2,93.6 U3_U_integrated_driver_and_current_sense5.7 | length 53.7
  Component Side w0.25: U3_U_integrated_driver_and_current_sense5.7@137.642,110.875 137.643,109.485 138.1,109.028 138.1,107.5 140.175,105.425 140.175,88.1 139.975,87.9 139.975,69.125 FPGA1.27@147.635,61.465
PWM2_P1: FPGA1.82 pad.0@58.3,93.6 U3_U_integrated_driver_and_current_sense1.5 | length 45.4
  Component Side w0.25: FPGA1.82@55.655,71.465 57.755,71.465 61.805,75.515 61.805,85.7 58.825,88.68 58.825,90.565 58.3,91.09 pad.0@58.3,93.6 58.3,105.4 56.373,107.327 U3_U_integrated_driver_and_current_sense1.5@56.373,110.875
PWM2_P2: FPGA1.70 pad.0@78.3,93.6 U3_U_integrated_driver_and_current_sense2.5 | length 63.3
  Component Side w0.25: FPGA1.70@55.655,59.465 58.655,59.465 78.3,79.11 pad.0@78.3,93.6 78.3,105.4 76.373,107.327 U3_U_integrated_driver_and_current_sense2.5@76.372,110.875
PWM2_P3: FPGA1.55 pad.0@98.3,93.6 U3_U_integrated_driver_and_current_sense3.5 | length 90.6
  Component Side w0.25: FPGA1.55@53.655,45.465 54.655,46.465 64.655,46.465 98.3,80.11 pad.0@98.3,93.6 98.3,105.4 96.373,107.327 U3_U_integrated_driver_and_current_sense3.5@96.372,110.875
PWM2_P4: FPGA1.12 pad.0@118.3,93.6 U3_U_integrated_driver_and_current_sense4.5 | length 85
  Component Side w0.25: U3_U_integrated_driver_and_current_sense4.5@116.372,110.875 116.373,107.327 118.3,105.4 pad.0@118.3,93.6 118.3,66.82 138.655,46.465 148.635,46.465 FPGA1.12@149.635,45.465
PWM2_P5: FPGA1.23 pad.0@138.3,93.6 U3_U_integrated_driver_and_current_sense5.5 | length 58.1
  Component Side w0.25: U3_U_integrated_driver_and_current_sense5.5@136.372,110.875 136.373,107.327 138.3,105.4 pad.0@138.3,93.6 138.3,66.82 146.855,58.265 146.855,58.245 FPGA1.23@147.635,57.465
RCLK_N: J1.12 R7.1 U5.5 | length 138.2
  Component Side w0.26: U5.5@49.904,79.225 49.904,80.1 49.808,80.196 R7.1@49.808,80.7 49.808,81.084 49.48,81.412 49.48,84.838 48.26,86.058 48.26,183.46 62.5,197.7 69.6,197.7 71.4,195.9 73.29,195.9 J1.12@74.43,197.04
RCLK_P: J1.11 R7.2 U5.6 | length 138.2
  Component Side w0.26: U5.6@48.634,79.225 48.634,80.08 48.792,80.237 R7.2@48.792,80.7 48.792,81.084 49.12,81.412 49.12,84.689 47.9,85.909 47.9,183.609 62.351,198.06 64.5,198.06 65.932,198.06 ccw(c65.932,198.258) 66.13,198.258 66.13,198.648 cw(c66.328,198.648) 66.328,198.846 66.592,198.846 cw(c66.592,198.648) 66.79,198.648 66.79,198.258 ccw(c66.988,198.258) 66.988,198.06 67.252,198.06 ccw(c67.252,198.258) 67.45,198.258 67.45,198.648 cw(c67.648,198.648) 67.648,198.846 67.912,198.846 cw(c67.912,198.648) 68.11,198.648 68.11,198.258 ccw(c68.308,198.258) 68.308,198.06 68.77,198.06 69.1,198.06 69.749,198.06 70.755,197.055 72.125,197.055 J1.11@72.14,197.04
RDAT_N: J1.15 R6.1 U5.7 | length 152.3
  Component Side w0.26: U5.7@47.364,79.225 47.364,80.08 47.208,80.236 R6.1@47.208,80.7 47.208,81.084 46.88,81.412 46.88,83.949 46.26,84.569 46.26,185.16 62.7,201.6 74.6,201.6 77.9,198.3 77.9,196.2 78.2,195.9 80.16,195.9 J1.15@81.3,197.04
RDAT_P: J1.14 R6.2 U5.8 | length 152.3
  Component Side w0.26: U5.8@46.094,79.225 46.094,80.08 46.192,80.177 R6.2@46.192,80.7 46.192,81.084 46.52,81.412 46.52,83.8 45.9,84.42 45.9,185.309 62.445,201.855 62.551,201.96 74.749,201.96 74.855,201.855 75.105,201.605 76.46,200.249 ccw(c76.6,200.389) 76.74,200.249 77.167,200.676 cw(c77.307,200.536) 77.447,200.676 77.634,200.49 cw(c77.494,200.35) 77.634,200.21 77.207,199.783 ccw(c77.347,199.643) 77.207,199.503 77.393,199.316 ccw(c77.533,199.456) 77.673,199.316 78.1,199.743 cw(c78.24,199.603) 78.38,199.743 78.567,199.556 cw(c78.427,199.416) 78.567,199.276 78.14,198.849 ccw(c78.28,198.709) 78.14,198.569 78.467,198.242 78.7,198.009 79.01,197.699 J1.14@79.01,197.04
RELAY-ON: FPGA1.24 Q1.2 R13.2 | length 6
  Component Side w0.25: FPGA1.24@149.635,57.465 151.18,57.465 152.135,58.42 R13.2@153.67,58.42
  Component Side w0.4: R13.2@153.67,58.42 Q1.2@155.257,58.42
SCLK_EEPROM: FPGA1.5 U4.6 | length 4
  Component Side w0.25: U4.6@143.776,39.24 147.41,39.24 FPGA1.5@147.635,39.465
TCLK_N: J1.2 U7.8 | length 151.3
  Component Side w0.26: U7.8@46.095,63.825 46.095,64.68 46.425,65.01 v1(46.425,65.8)
  Solder Side w0.26: v1(46.425,65.8) 46.5,65.875 46.5,67.5 46,68 45.895,68.105 45.895,179.904 46,180.009 56.851,190.86 69.36,190.86 70.9,192.4 70.9,193 71,193.1 73.29,193.1 J1.2@74.43,191.96
TCLK_P: J1.1 U7.7 | length 150.7
  Component Side w0.26: v1(46.975,65.8) 46.975,65.07 47.365,64.68 U7.7@47.365,63.825
  Solder Side w0.26: v1(46.975,65.8) 46.9,65.875 46.9,67.609 46.255,68.255 46.255,179.755 57,190.5 65.1,190.5 66.692,190.5 cw(c66.692,190.302) 66.89,190.302 66.89,189.698 ccw(c67.088,189.698) 67.088,189.5 67.352,189.5 ccw(c67.352,189.698) 67.55,189.698 67.55,190.302 cw(c67.748,190.302) 67.748,190.5 68.012,190.5 cw(c68.012,190.302) 68.21,190.302 68.21,189.698 ccw(c68.408,189.698) 68.408,189.5 68.672,189.5 ccw(c68.672,189.698) 68.87,189.698 68.87,190.302 cw(c69.068,190.302) 69.068,190.5 69.2,190.5 69.509,190.5 70.969,191.96 J1.1@72.14,191.96
TDAT_N: J1.5 U7.5 | length 154.2
  Component Side w0.26: v1(49.545,65.7) 49.45,65.605 49.45,65.135 49.905,64.68 U7.5@49.905,63.825
  Solder Side w0.26: v1(49.545,65.7) 49.45,65.795 49.45,68.349 48.26,69.539 48.26,177.46 58.7,187.9 78.549,187.9 80.36,189.711 80.36,191.02 J1.5@81.3,191.96
TDAT_P: J1.4 U7.6 | length 154.2
  Component Side w0.26: U7.6@48.635,63.825 48.635,64.68 49.09,65.135 49.09,65.605 v1(48.995,65.7)
  Solder Side w0.26: v1(48.995,65.7) 49.09,65.795 49.09,68.2 47.9,69.39 47.9,177.609 58.551,188.26 78.4,188.26 80,189.86 80,190.97 J1.4@79.01,191.96
VADJ: R11.1 U11.23 U11.24 | length 2.6
  Component Side w0.4: U11.23@151.6,185.075 151.6,184.633 R11.1@152.308,183.925 152.4,184.017 U11.24@152.4,185.075
VDD: C1.2 C6_U_integrated_driver_and_current_sense1.2 C6_U_integrated_driver_and_current_sense2.2 C6_U_integrated_driver_and_current_sense3.2 C6_U_integrated_driver_and_current_sense4.2 C6_U_integrated_driver_and_current_sense5.2 C25.2 C26.2 C27.2 C28.2 C30_U_integrated_driver_and_current_sense1.2 C30_U_integrated_driver_and_current_sense2.2 C30_U_integrated_driver_and_current_sense3.2 C30_U_integrated_driver_and_current_sense4.2 C30_U_integrated_driver_and_current_sense5.2 C32.2 C46.2 D1.2 D2.2 FPGA1.39 FPGA1.40 J9.3 J9.4 R16.2 R17.2 R18.2 U1.10 U2_U_integrated_driver_and_current_sense1.10 U2_U_integrated_driver_and_current_sense2.10 U2_U_integrated_driver_and_current_sense3.10 U2_U_integrated_driver_and_current_sense4.10 U2_U_integrated_driver_and_current_sense5.10 U4.3 U4.7 U4.8 U5.1 U7.1 U9.1 U9.3 U12.1 U13.1 U14_U_integrated_driver_and_current_sense1.10 U14_U_integrated_driver_and_current_sense2.10 U14_U_integrated_driver_and_current_sense3.10 U14_U_integrated_driver_and_current_sense4.10 U14_U_integrated_driver_and_current_sense5.10 | length 26.6
  Component Side w0.25: U14_U_integrated_driver_and_current_sense1.10@54.2,90.898 54.306,90.792 C30_U_integrated_driver_and_current_sense1.2@55.2,90.792 ; U2_U_integrated_driver_and_current_sense1.10@68.8,90.898 68.906,90.792 C6_U_integrated_driver_and_current_sense1.2@69.8,90.792 ; U14_U_integrated_driver_and_current_sense2.10@74.2,90.898 74.306,90.792 C30_U_integrated_driver_and_current_sense2.2@75.2,90.792 ; U2_U_integrated_driver_and_current_sense2.10@88.8,90.898 88.906,90.792 C6_U_integrated_driver_and_current_sense2.2@89.8,90.792 ; U14_U_integrated_driver_and_current_sense3.10@94.2,90.898 94.306,90.792 C30_U_integrated_driver_and_current_sense3.2@95.2,90.792 ; U2_U_integrated_driver_and_current_sense3.10@108.8,90.898 108.906,90.792 C6_U_integrated_driver_and_current_sense3.2@109.8,90.792 ; U14_U_integrated_driver_and_current_sense4.10@114.2,90.898 114.306,90.792 C30_U_integrated_driver_and_current_sense4.2@115.2,90.792 ; U2_U_integrated_driver_and_current_sense4.10@128.8,90.898 128.906,90.792 C6_U_integrated_driver_and_current_sense4.2@129.8,90.792 ; U14_U_integrated_driver_and_current_sense5.10@134.2,90.898 134.306,90.792 C30_U_integrated_driver_and_current_sense5.2@135.2,90.792 ; v1(136.755,39.24) U4.3@137.934,39.24 ; U4.7@143.776,39.89 145.18,39.89 145.255,39.965 C46.2@145.255,40.557 ; U2_U_integrated_driver_and_current_sense5.10@148.8,90.898 148.906,90.792 C6_U_integrated_driver_and_current_sense5.2@149.8,90.792 ; U1.10@153.5,90.898 153.606,90.792 C1.2@154.5,90.792 ; U9.1@161.175,89.525 161.175,90.25 161.325,90.4 162.925,90.4 163.075,90.25 U9.3@163.075,89.525
  Component Side w0.4: U4.8@143.776,40.54 145.238,40.54 C46.2@145.255,40.557 v1(145.847,40.557)
  Component Side w0.5: v1(45.308,57.008) C27.2@46.1,57.008 ; v1(45.375,72.4) 46.092,72.4 C26.2@46.1,72.408 ; U7.1@46.095,58.375 46.095,57.013 C27.2@46.1,57.008 ; U5.1@46.094,73.775 46.094,72.414 C26.2@46.1,72.408 ; C28.2@47.1,57.008 C27.2@46.1,57.008 ; C25.2@47.1,72.408 C26.2@46.1,72.408 ; U9.1@161.175,89.525 U9.1@161.217,89.483
  other v1: 153.475,42.9 160.475,74.35 153.4,87.1 155,87.1 160.775,88.2 161.2,88.85 55.2,90.35 69.825,90.35 75.2,90.35 89.8,90.35 95.225,90.35 109.8,90.35 115.225,90.35 129.825,90.35 135.2,90.35 149.8,90.35 154.5,90.35
VDD1.8: C2.2 C7_U_integrated_driver_and_current_sense1.2 C7_U_integrated_driver_and_current_sense2.2 C7_U_integrated_driver_and_current_sense3.2 C7_U_integrated_driver_and_current_sense4.2 C7_U_integrated_driver_and_current_sense5.2 C33.2 C38_U_integrated_driver_and_current_sense1.2 C38_U_integrated_driver_and_current_sense2.2 C38_U_integrated_driver_and_current_sense3.2 C38_U_integrated_driver_and_current_sense4.2 C38_U_integrated_driver_and_current_sense5.2 R32.2 U1.2 U2_U_integrated_driver_and_current_sense1.2 U2_U_integrated_driver_and_current_sense2.2 U2_U_integrated_driver_and_current_sense3.2 U2_U_integrated_driver_and_current_sense4.2 U2_U_integrated_driver_and_current_sense5.2 U9.5 U14_U_integrated_driver_and_current_sense1.2 U14_U_integrated_driver_and_current_sense2.2 U14_U_integrated_driver_and_current_sense3.2 U14_U_integrated_driver_and_current_sense4.2 U14_U_integrated_driver_and_current_sense5.2 | length 19.9
  Component Side w0.25: C38_U_integrated_driver_and_current_sense1.2@53.6,94.792 53.7,94.692 U14_U_integrated_driver_and_current_sense1.2@53.7,93.702 ; C7_U_integrated_driver_and_current_sense1.2@68.2,94.792 68.3,94.692 U2_U_integrated_driver_and_current_sense1.2@68.3,93.702 ; C38_U_integrated_driver_and_current_sense2.2@73.6,94.792 73.7,94.692 U14_U_integrated_driver_and_current_sense2.2@73.7,93.702 ; C7_U_integrated_driver_and_current_sense2.2@88.2,94.792 88.3,94.692 U2_U_integrated_driver_and_current_sense2.2@88.3,93.702 ; C38_U_integrated_driver_and_current_sense3.2@93.6,94.792 93.7,94.692 U14_U_integrated_driver_and_current_sense3.2@93.7,93.702 ; C7_U_integrated_driver_and_current_sense3.2@108.2,94.792 108.3,94.692 U2_U_integrated_driver_and_current_sense3.2@108.3,93.702 ; C38_U_integrated_driver_and_current_sense4.2@113.6,94.792 113.7,94.692 U14_U_integrated_driver_and_current_sense4.2@113.7,93.702 ; C7_U_integrated_driver_and_current_sense4.2@128.2,94.792 128.3,94.692 U2_U_integrated_driver_and_current_sense4.2@128.3,93.702 ; C38_U_integrated_driver_and_current_sense5.2@133.6,94.792 133.7,94.692 U14_U_integrated_driver_and_current_sense5.2@133.7,93.702 ; C7_U_integrated_driver_and_current_sense5.2@148.2,94.792 148.3,94.692 U2_U_integrated_driver_and_current_sense5.2@148.3,93.702 ; U1.2@153,93.702 153,94.375 v1(153.055,94.43) 153.4,94.775 C2.2@153.4,94.792
  Component Side w0.5: v4(160.3,92.275) U9.5@161.175,92.275 161.217,92.317 C33.2@161.217,93.6
  Solder Side w0.25: 165.655,95.855 v1(165.655,101.015)
  other v1: 53.7,94.365 68.3,94.365 73.7,94.365 88.3,94.365 93.7,94.365 108.3,94.365 113.7,94.365 128.3,94.365 133.7,94.365 148.3,94.365
VDD5: C34.2 FPGA1.41 FPGA1.42 U10.1 U10.3 | length 24.7
  Component Side w0.25: U10.1@157.375,89.525 157.375,90.25 157.575,90.45 159.075,90.45 159.275,90.25 U10.3@159.275,89.525
  Component Side w0.5: FPGA1.42@149.635,75.465 FPGA1.42@149.957,75.465 ; U10.1@157.375,89.525 157.375,88.242 C34.2@157.417,88.2
  Component Side w1: FPGA1.41@147.635,75.465 FPGA1.42@149.635,75.465 ; FPGA1.42@149.957,75.465 151.665,75.465 158.3,82.1 158.3,86.3 157.417,87.183 C34.2@157.417,88.2
VDD6: C37.1 J8.25 U11.7 U11.13 U11.14 U11.15 U11.16 U11.17 U11.18 U11.22 U11.43 | length 33.6
  Component Side w0.4: 150.55,192.5 152.125,192.5 153.2,193.575 U11.7@153.2,194.925 ; v2(150.65,188.05) 150.65,187.05 150.8,186.9 U11.22@150.8,185.075
  Component Side w1.5: J8.25@127.88,197.04 127.88,198.355 129,199.475 131.775,199.475 134.75,196.5 134.75,193.45 137.65,190.55 143.075,190.55 143.675,191.15 C37.1@146.5,191.15
  other v2: 150.15,188.05 150.15,191.95 150.65,191.95